# Altium PCB Archimbu.PcbDoc (part 4 of 5)
Units mil, origin at the board's own origin, x right, y up, seen from the top; angles counter-clockwise.
Board outline 4100 x 4050 mil, 4 copper layers (Top Layer, Ground Plane, Power Plane, Bottom Layer), stack 59.2 mil thick; 524 components, 271 nets, 1488 pads, 1236 vias.
Unrouted connection lines stored in the file: 118.
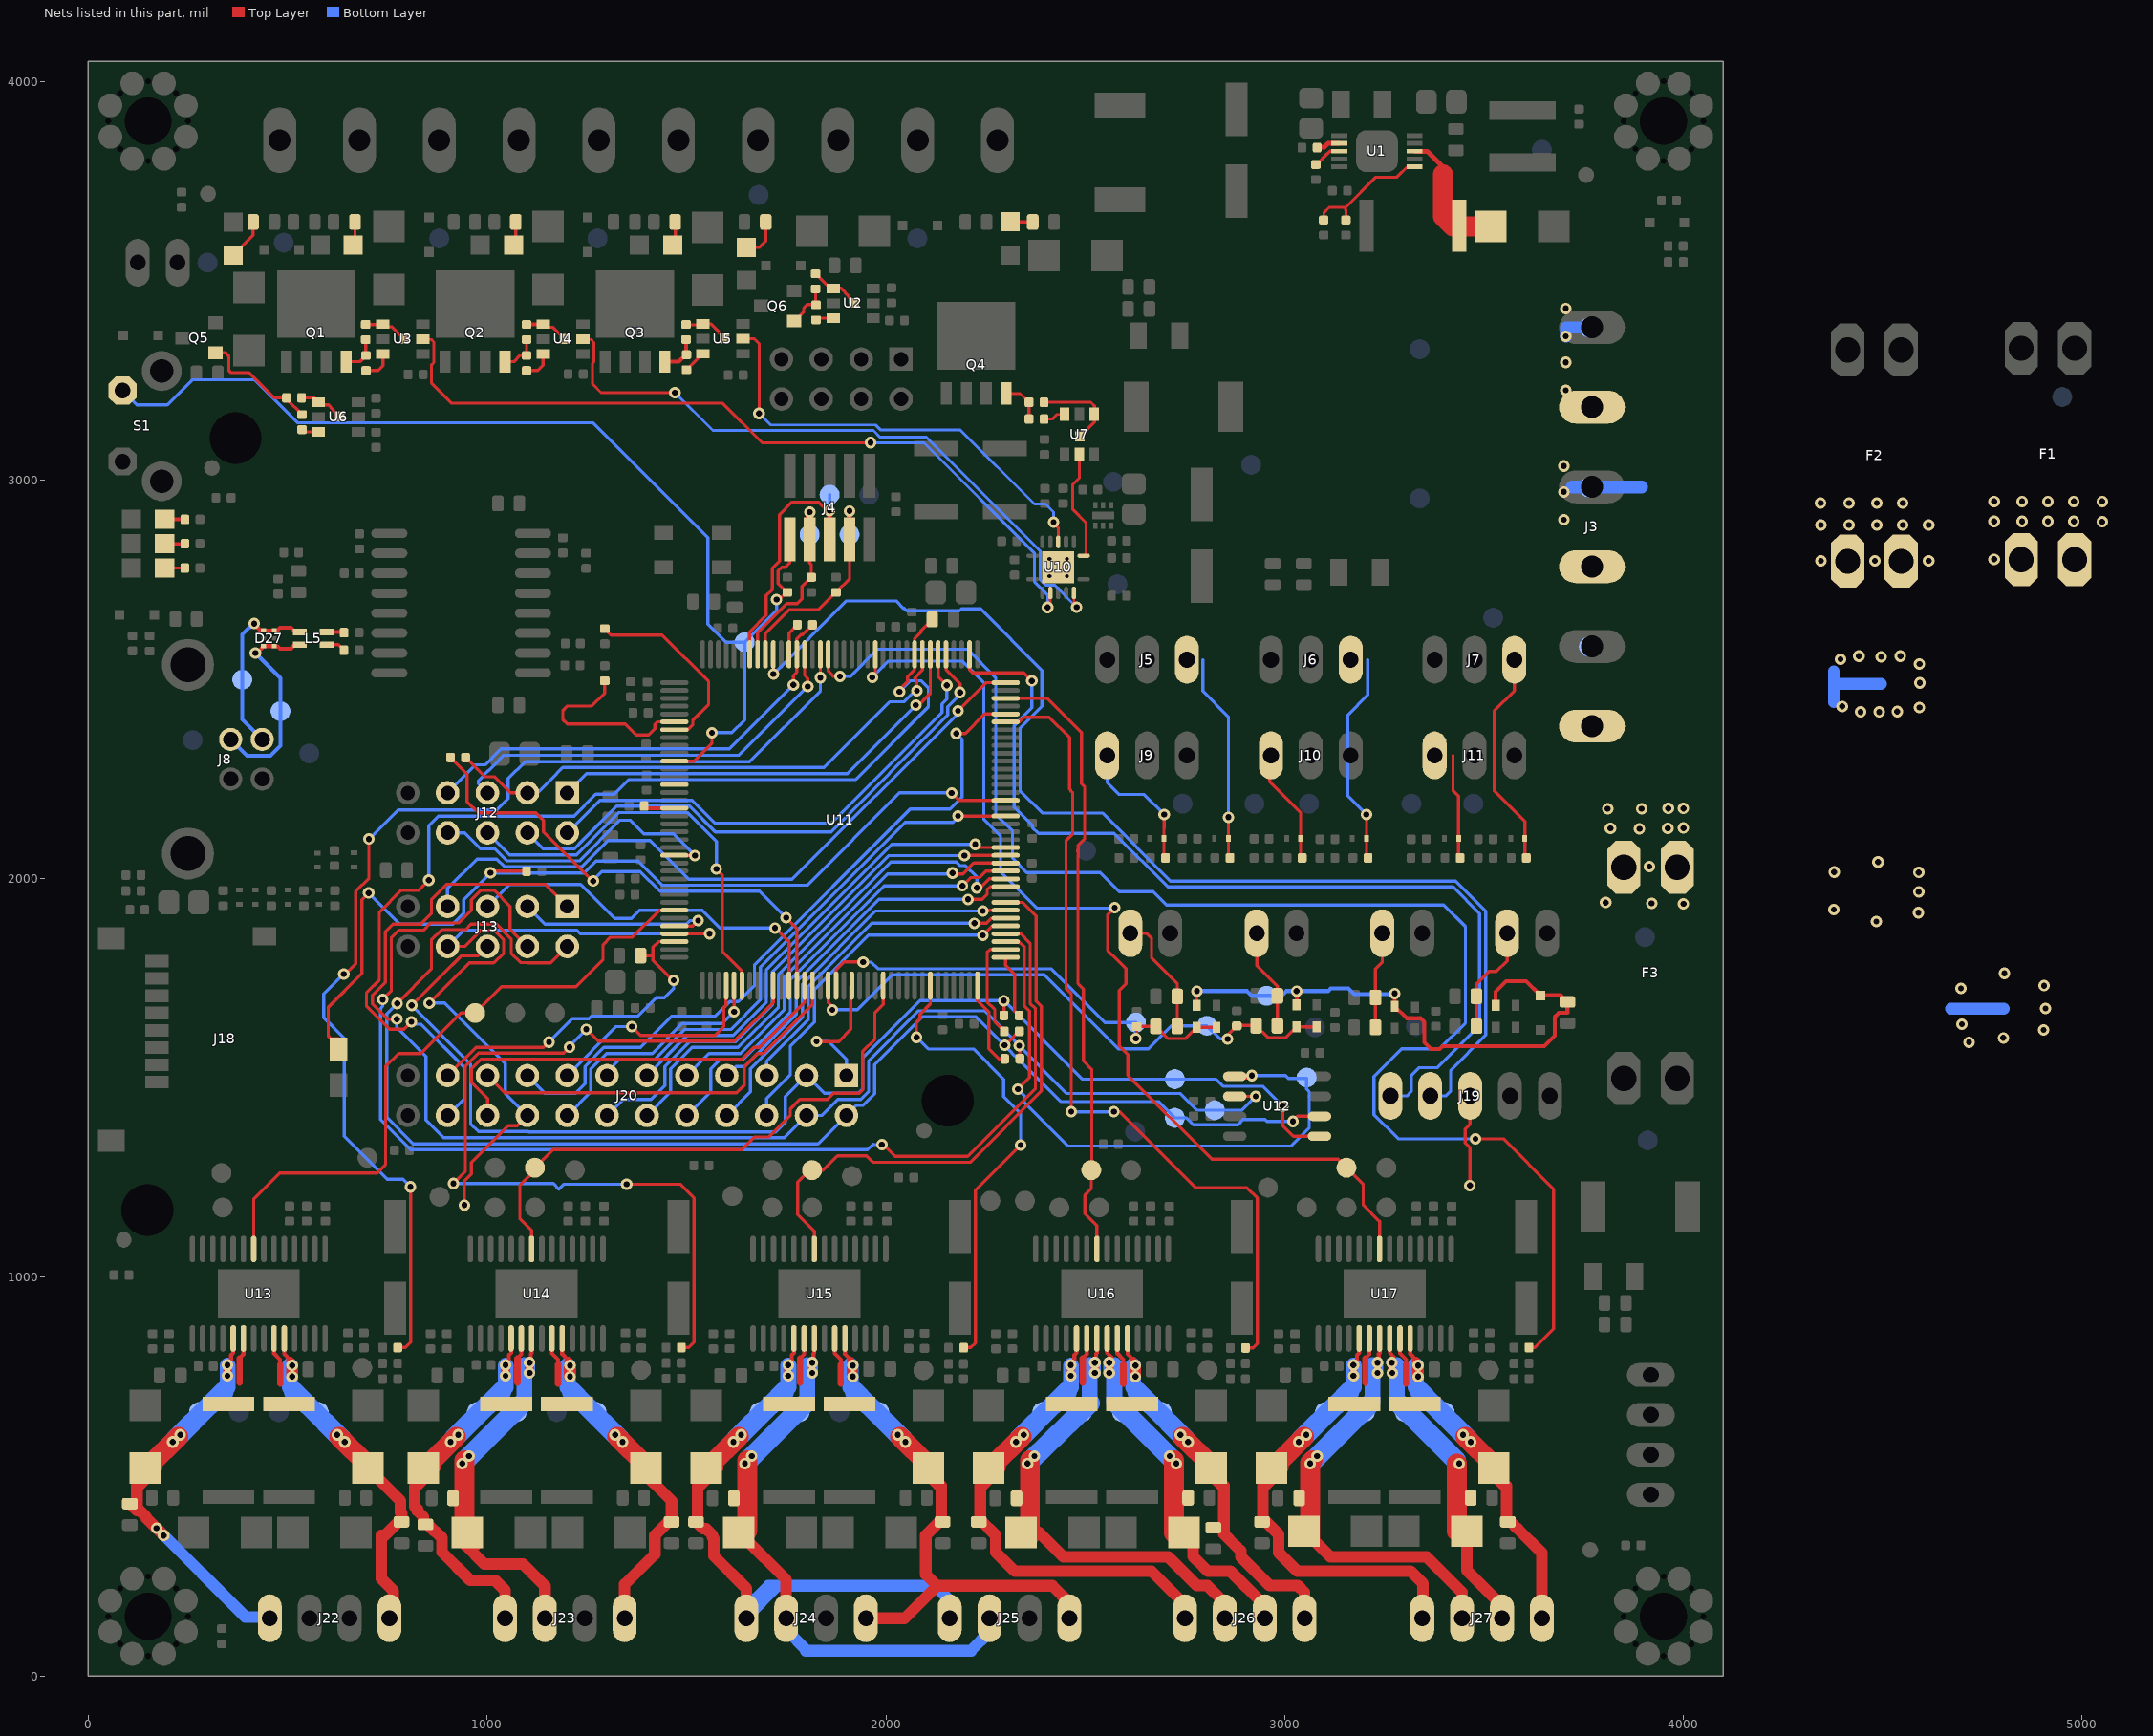
[diagram p6: the nets of this part, all layers, seen from the top]

## Via types
v1: diameter 29, hole 15, Top Layer to Bottom Layer, tented both sides, 1115 vias
v2: diameter 30, hole 15, Top Layer to Bottom Layer, tented both sides, 95 vias
v3: diameter 30, hole 15, Top Layer to Bottom Layer, 9 vias
v4: diameter 40, hole 24, Top Layer to Bottom Layer, tented both sides, 7 vias
v5: diameter 25, hole 10, Top Layer to Bottom Layer, tented both sides, 4 vias
v6: diameter 50, hole 30, Top Layer to Bottom Layer, 2 vias
v7: diameter 40, hole 20, Top Layer to Bottom Layer, tented both sides, 2 vias
v8: diameter 38, hole 22, Top Layer to Bottom Layer, tented both sides, 1 vias
v9: diameter 34, hole 20, Top Layer to Bottom Layer, tented both sides, 1 vias

## Nets (pads, with @x,y where several pads share a name; then routed paths per layer and width w, separated by ;. In a path a pad name is that pad's centre, name@x,y a point inside that pad or via, vN(x,y) a via of type N, cw(c..) or ccw(c..) an arc to the next point about the centre after c; other vN are vias at no path point) (continued)
NetC130_2: C130.2 D63.C J26.2 TP90.1 U16.8 | length 946.6
  Top Layer w10: U16.8@2554.81,846.8 2554.81,810.33 2566.14,799 v1(2560.14,786)
  Top Layer w20: v1(2560.14,760) v1(2560.14,786)
  Top Layer w29: D63.C@2747.72,359.21 2770,336.93 2770,300.18 2797,273.18 ; 2803,267.18 2797,273.18 ; J26.2@2950,145 2950,177 2864,263 2807.18,263 2797,273.18
  Top Layer w50: D63.C@2722.72,359.21 v1@2722.72,541
  Bottom Layer w29: v1(2560.14,760) v1(2560.14,786) 2570.82,780.42 v1@2572.72,779.42
  Bottom Layer w40: 2572.72,684 v1@2572.72,779.42
  Bottom Layer w50: TP90.1@2581.72,680 v1@2720.72,541
  other v1: 2728.72,533 2711.72,552
NetC131_2: C131.2 D55.C J27.2 TP86.1 U17.8 | length 820
  Top Layer w10: U17.8@3263.67,846.8 3263.67,810.33 3275,799 v1(3269,786)
  Top Layer w20: v1(3269,786) 3269,761 v1(3270,760)
  Top Layer w29: D55.C@3456.58,359 3456.58,265.34 3545,176.91 J27.2@3545,145
  Top Layer w50: D55.C@3431.58,363 v1@3431.58,533
  Bottom Layer w29: v1(3269,786) 3280.46,780.01 v1@3281.58,779.42
  Bottom Layer w40: 3281.58,684 v1@3281.58,779.42
  Bottom Layer w50: TP86.1@3290.58,680 v1@3429.58,541
  other v1: 3437.58,533
NetC132_1: C132.1 D57.C J23.3 TP99.1 U14.7 | length 939.4
  Top Layer w10: v1@1109.42,788.47 1109.42,808.25 1111.51,810.33 U14.7@1111.51,846.8
  Top Layer w24: v1(1106.42,760) v1(1106.42,786)
  Top Layer w29: D57.C@943.6,330.4 993,281 1090,281 1145,226 J23.3@1145,145 ; D57.C@973.13,330.4 D57.C@973.13,356.4
  Top Layer w50: D57.C@943.6,356.4 v1@943.6,541
  Bottom Layer w29: v1(1106.42,760) v1(1106.42,786)
  Bottom Layer w40: 1093.6,684 v1@1093.6,779.42
  Bottom Layer w50: v1@945.6,541 TP99.1@1084.6,680
  other v1: 937.6,533 954.6,552
NetC133_1: C133.1 D58.C J24.3 J25.3 TP95.1 U15.7 | length 1496.4
  Top Layer w10: v1@1818.54,788.47 1818.54,808.25 1820.62,810.33 U15.7@1820.62,846.8
  Top Layer w20: v1(1815.54,760) v1(1815.54,786)
  Top Layer w29: D58.C@1612.72,345.28 1646.72,345.28 1750,242 J24.3@1750,145 ; D58.C@1652.72,345.28 D58.C@1652.72,365
  Top Layer w50: D58.C@1652.72,365 v1@1652.72,541
  Bottom Layer w29: J24.3@1750,145 1750,116 1802.5,63.5 ; 1798.5,63.5 1802.5,63.5 ; v1(1815.54,760) v1(1815.54,786) ; 2214.5,63.5 2212.5,63.5 ; J25.3@2260,145 2260,111 2212.5,63.5 ; 1802.5,63.5 2212.5,63.5
  Bottom Layer w40: 1802.72,684 v1@1802.72,779.42
  Bottom Layer w50: v1@1654.72,541 TP95.1@1793.72,680
  other v1: 1646.72,533 1663.72,552
NetC134_1: C134.1 D59.C J26.3 TP91.1 U16.7 | length 1223
  Top Layer w10: v1@2527.14,788.47 2527.14,808.25 2529.22,810.33 U16.7@2529.22,846.8
  Top Layer w20: v1(2524.14,760) v1(2524.14,786)
  Top Layer w29: D59.C@2338.72,360 2384,360 2445,299 2708,299 2780,227 2806,227 2850,183 J26.3@2850,145
  Top Layer w50: D59.C@2361.32,353 v1@2361.32,541
  Bottom Layer w29: v1(2524.14,760) v1(2524.14,786)
  Bottom Layer w40: 2511.32,684 v1@2511.32,779.42
  Bottom Layer w50: v1@2363.32,541 2511.32,684
  other v1: 2355.32,533 2372.32,552
NetC135_1: C135.1 D54.C J27.3 TP87.1 U17.7 | length 1100.8
  Top Layer w10: v1@3236,788.47 3236,808.25 3238.08,810.33 U17.7@3238.08,846.8
  Top Layer w20: v1(3233,760) v1(3233,786)
  Top Layer w29: D54.C@3064,349.82 3114.82,299 3356,299 3445,210 J27.3@3445,145
  Top Layer w50: D54.C@3064,349.82 3064,534.82 v1@3070.18,541
  Bottom Layer w29: v1(3233,760) v1(3233,786)
  Bottom Layer w40: 3220.18,684 v1@3220.18,779.42
  Bottom Layer w50: v1@3072.18,541 TP87.1@3211.18,680
  other v1: 3064.18,533 3081.18,552
NetC136_1: C136.1 D44.C J22.4 TP104.1 U13.5 | length 1109.3
  Top Layer w10: 358.07,793 358.07,804.93 363.47,810.33 U13.5@363.47,846.8
  Top Layer w20: v1(349.14,753) v1(349.14,780)
  Top Layer w29: C136.1@104.33,432.28 121.81,414.81 129.51,414.81 145.52,398.8 145.52,396.09 v1@170.55,371.06 ; 121.91,415.35 121.91,472.18 ; D44.C@153.74,522 171.73,522 126.74,477.01 ; v1(171.26,371.06) 189.96,352.36 v1(188.98,352.36) ; 121.91,472.18 121.91,477.01 126.74,477.01 ; 121.91,472.18 126.74,477.01
  Top Layer w50: D44.C@153.74,521 153.74,522 153.74,528.61 v1@225.24,600.11
  Bottom Layer w29: v1(171.26,371.06) 394.32,148 ; 392.91,148 394.32,148 ; 420.28,148 394.32,148 ; J22.4@455,145 452,148 394.32,148
  Bottom Layer w40: 339.12,713.62 349.74,724.24 v1@349.74,778
  Bottom Layer w50: v1@219.24,594.5 305.24,680.5 ; 306.01,680.5 339.12,713.62
  other v1: 211.74,587 230.74,605
NetC137_1: C137.1 D45.C J22.1 TP101.1 U13.10 | length 930.5
  Top Layer w10: U13.10@491.42,846.8 491.42,807.66 506.2,792.88 v1@506.2,790.72
  Top Layer w20: v1@506.2,790.72 509.38,778.54 v1@510.57,774
  Top Layer w29: v1@510.57,751 v1@510.57,774 ; D45.C@683.16,522 701.14,522 D45.C@701.64,521.5 ; D45.C@701.14,521 782.76,439.38 782.76,410.42 785.51,407.67 C137.1@785.51,386.77 C137.1@777.81,386.77 ; 734.48,353.29 734.48,244.52 765,214 J22.1@765,145 ; 744.33,353.29 C137.1@777.81,386.77 ; C137.1@782.35,391.84 777.28,386.77 C137.1@777.81,386.77 ; C137.1@782.61,391.58 C137.1@777.81,386.77
  Top Layer w50: v1@629.64,600.11 D45.C@701.14,528.61 ; D45.C@711.14,521 D45.C@711.14,528.61
  Bottom Layer w29: v1@506.14,743 v1@506.14,746
  Bottom Layer w40: v1@505.14,778 505.14,724.24 515.76,713.62
  Bottom Layer w50: 515.76,713.62 548.88,680.5 549.64,680.5 v1@635.64,594.5
  other v1: 643.14,587 624.14,605 511.14,751 511.14,779
NetC138_1: C138.1 D47.C J23.1 TP97.1 U14.10 | length 932.8
  Top Layer w10: U14.10@1188.28,846.8 1188.28,807.66 1203.06,792.88 v1@1203.06,790.72
  Top Layer w20: v1@1203.06,790.72 1206.24,778.54 v1@1207.42,774
  Top Layer w29: v1@1207.42,751 v1@1207.42,774 ; J23.1@1345,145 1345,230 1420.53,305.53 1420.53,353 C138.1@1459.37,391.84 ; D47.C@1398,522 1380.02,522 1462.53,439.49 C138.1@1462.53,386.77
  Top Layer w50: v1@1326.5,600.11 1398,528.61 D47.C@1398,522
  Bottom Layer w29: v1@1203,743 v1@1203,746
  Bottom Layer w40: v1@1202,778 1202,724.24 1212.62,713.62
  Bottom Layer w50: 1212.62,713.62 1245.74,680.5 1246.5,680.5 v1@1332.5,594.5
  other v1: 1340,587 1321,605 1208,751 1208,779
NetC139_1: C139.1 D48.C J24.4 J25.4 TP96.1 U15.5 | length 1636.2
  Top Layer w10: 1764.04,793 1764.04,804.93 1769.44,810.33 U15.5@1769.44,846.8
  Top Layer w20: v1(1755.12,753) v1(1755.12,780)
  Top Layer w29: C139.1@1524.12,386.77 1541.6,369.3 1549.3,369.3 1565.3,353.29 1565.3,348.7 1569,345 1569,301 1650,220 J24.4@1650,145 ; C139.1@1527.88,391.84 1527.88,472.18 ; D48.C@1559.72,522 1577.71,522 1532.71,477.01 ; 1527.88,472.18 1527.88,477.01 1532.71,477.01 ; 1527.88,472.18 1532.71,477.01
  Top Layer w50: D48.C@1559.72,521 1559.72,522 1559.72,528.61 v1@1631.22,600.11
  Bottom Layer w29: J24.4@1650,145 J24.4@1650,147.83 ; J25.4@2160,145 2160,190 2123.5,226.5 1728.67,226.5 ; J24.4@1650,147.83 1728.67,226.5 ; J24.4@1650,147.83 1650,171 1705.5,226.5 1728.67,226.5
  Bottom Layer w40: 1745.1,713.62 1755.72,724.24 v1@1755.72,778
  Bottom Layer w50: v1@1625.22,594.5 1711.22,680.5 ; 1711.98,680.5 1745.1,713.62
  other v1: 1617.72,587 1636.72,605
NetC140_1: C140.1 D49.C J24.1 J25.1 TP93.1 U15.10 | length 1424.2
  Top Layer w10: U15.10@1897.4,846.8 1897.4,807.66 1912.18,792.88 v1@1912.18,790.72
  Top Layer w20: v1@1912.18,790.72 1915.36,778.54 v1@1916.54,774
  Top Layer w29: v1@1916.54,751 v1@1916.54,774 ; J24.1@1950,145 2047,145 2128.5,226.5 ; D49.C@2107.12,522 2089.13,522 2134.13,477.01 ; J25.1@2460,145 2460,184 2417.5,226.5 2128.5,226.5 ; 2128.5,226.5 2100.12,254.88 2100.12,353 2138.96,391.84 2138.96,472.18 ; 2134.13,477.01 2138.96,477.01 2138.96,472.18 ; 2134.13,477.01 2138.96,472.18
  Top Layer w50: v1@2035.62,600.11 2107.12,528.61 2107.12,522 D49.C@2107.12,521
  Bottom Layer w29: v1@1912.12,743 v1@1912.12,746
  Bottom Layer w40: v1@1911.12,778 1911.12,724.24 1921.74,713.62
  Bottom Layer w50: 1921.74,713.62 1954.86,680.5 1955.62,680.5 v1@2041.62,594.5
  other v1: 2049.12,587 2030.12,605 1917.12,751 1917.12,779
NetC141_1: C141.1 D50.C J26.4 TP92.1 U16.5 | length 1269.6
  Top Layer w10: 2472.64,793 2472.64,804.93 2478.04,810.33 U16.5@2478.04,846.8
  Top Layer w20: v1(2463.72,753) v1(2463.72,780)
  Top Layer w29: D50.C@2268.32,522 2286.3,522 2241.31,477.01 ; J26.4@2754,145 2754,175 2666.5,262.5 2323.42,262.5 2275.32,310.59 2275.32,353 2236.48,391.84 2236.48,472.18 ; 2236.48,472.18 2236.48,477.01 2241.31,477.01 ; 2236.48,472.18 2241.31,477.01
  Top Layer w50: D50.C@2268.32,521 2268.32,522 2268.32,528.61 v1@2339.82,600.11
  Bottom Layer w40: 2453.7,713.62 2464.32,724.24 v1@2464.32,778
  Bottom Layer w50: v1@2333.82,594.5 2419.82,680.5 ; 2420.58,680.5 2453.7,713.62
  other v1: 2326.32,587 2345.32,605
NetC142_1: C142.1 D52.C J27.4 TP88.1 U17.5 | length 1188
  Top Layer w10: 3181.5,793 3181.5,804.93 3186.9,810.33 U17.5@3186.9,846.8
  Top Layer w20: v1(3172.58,753) v1(3172.58,780)
  Top Layer w29: D52.C@2977.18,522 2995.16,522 2950.17,477.01 ; J27.4@3345,145 3347,147 3347,232 3316,263 3031.77,263 2985,309.77 2985,355 2945.34,394.66 2945.34,472.18 ; 2945.34,472.18 2945.34,477.01 2950.17,477.01 ; 2945.34,472.18 2950.17,477.01
  Top Layer w50: D52.C@2977.18,521 2977.18,522 2977.18,528.61 v1@3048.68,600.11
  Bottom Layer w40: 3162.56,713.62 3173.18,724.24 v1@3173.18,778
  Bottom Layer w50: v1@3042.68,594.5 3128.68,680.5 ; 3129.44,680.5 3162.56,713.62
  other v1: 3035.18,587 3054.18,605
NetC143_1: C143.1 D53.C J27.1 TP85.1 U17.10 | length 912.3
  Top Layer w10: U17.10@3314.85,846.8 3314.85,807.66 3329.64,792.88 v1@3329.64,790.72
  Top Layer w20: v1@3329.64,790.72 3332.82,778.54 v1@3334,774
  Top Layer w29: v1@3334,751 v1@3334,774 ; D53.C@3524.58,522 3506.59,522 3551.58,477.01 ; C143.1@3556.41,391.84 3556.41,472.18 ; C143.1@3559.58,386.77 3566.23,386.77 3583.7,369.3 3584.75,369.3 3645,309.05 J27.1@3645,145 ; 3551.58,477.01 3556.41,477.01 3556.41,472.18 ; 3551.58,477.01 3556.41,472.18
  Top Layer w50: v1@3453.08,600.11 3524.58,528.61 3524.58,522 D53.C@3524.58,521
  Bottom Layer w29: v1@3329.58,743 v1@3329.58,746
  Bottom Layer w40: v1@3328.58,778 3328.58,724.24 3339.2,713.62
  Bottom Layer w50: 3339.2,713.62 3372.32,680.5 3373.08,680.5 v1@3459.08,594.5
  other v1: 3466.58,587 3447.58,605 3334.58,751 3334.58,779
NetC144_1: C144.1 D46.C J23.4 TP100.1 U14.5 | length 978.4
  Top Layer w10: 1054.92,793 1054.92,804.93 1060.33,810.33 U14.5@1060.33,846.8
  Top Layer w24: v1(1046,753) v1(1046,780)
  Top Layer w29: C144.1@840.55,387.01 840.55,398.89 825.15,414.29 825.15,418.95 818.76,425.33 818.76,472.18 ; C144.1@848.29,383.01 868.66,362.64 870.65,362.64 886.66,346.63 886.66,344.64 887.13,344.17 887.13,310.59 957.73,240 1020,240 1045,215 J23.4@1045,145 ; D46.C@850.6,522 868.59,522 823.6,477.01 ; 818.76,472.18 823.6,477.01 ; 818.76,472.18 818.76,477.01 823.6,477.01
  Top Layer w50: D46.C@850.6,521 850.6,522 850.6,528.61 v1@922.1,600.11
  Bottom Layer w40: 1035.98,713.62 1046.6,724.24 v1@1046.6,778
  Bottom Layer w50: v1@916.1,594.5 1002.1,680.5 ; 1002.86,680.5 1035.98,713.62
  other v1: 908.6,587 927.6,605
NetC145_1: C145.1 D51.C J26.1 TP89.1 U16.10 | length 1003
  Top Layer w10: U16.10@2606,846.8 2606,807.66 2620.78,792.88 v1@2620.78,790.72
  Top Layer w20: v1@2620.78,790.72 2623.96,778.54 v1@2625.14,774
  Top Layer w29: v1@2625.14,751 v1@2625.14,774 ; D51.C@2815.72,522 2797.73,522 2842.73,477.01 ; J26.1@3050,145 3050,210 3033,227 2962,227 2890,299 2890,313.91 2879,324.91 2879,325 2847.56,356.36 2847.56,472.18 ; 2842.73,477.01 2847.56,477.01 2847.56,472.18 ; 2842.73,477.01 2847.56,472.18
  Top Layer w50: v1@2744.22,600.11 2815.72,528.61 2815.72,522 D51.C@2815.72,521
  Bottom Layer w29: v1@2620.72,743 v1@2620.72,746
  Bottom Layer w40: v1@2619.72,778 2619.72,724.24 2630.34,713.62
  Bottom Layer w50: 2630.34,713.62 2663.46,680.5 2664.22,680.5 v1@2750.22,594.5
  other v1: 2757.72,587 2738.72,605 2625.72,751 2625.72,779
NetD2_A: D2.A R5.2 U1.8 | length 326.9
  Top Layer w12: U1.8@3325.8,3824.43 3357.67,3824.43 3396.88,3785.22 3396.88,3766
  Top Layer w50: 3396.88,3766 3396.88,3661.26 R5.2@3422.14,3636 ; R5.2@3437.14,3636 D2.A@3517,3636
NetD9_A: D9.A R9.1 | length 57.4
  Top Layer w8: D9.A@2311,3647.34 2367.88,3647.34 R9.1@2368.23,3646.99
NetD13_A: D13.A R12.1 | length 103.4
  Top Layer w8: D13.A@1650,3583.34 1683.34,3583.34 1698.77,3598.77 R12.1@1698.77,3647
NetD16_A: D16.A R6.1 | length 59.8
  Top Layer w8: D16.A@664.34,3589 668.77,3593.43 R6.1@668.77,3647
NetD17_A: D17.A R7.1 | length 60.2
  Top Layer w8: D17.A@1066.34,3589 1071.77,3594.43 R7.1@1071.77,3647
NetD18_A: D18.A R8.1 | length 60.7
  Top Layer w8: D18.A@1465.34,3589 1471.77,3595.43 R8.1@1471.77,3646.99
NetD20_A: D20.A R14.1 | length 104.1
  Top Layer w8: D20.A@363,3563.66 413.23,3613.89 R14.1@413.23,3647
NetD23_A: D23.A R33.1 | length 56.9
  Top Layer w10: D23.A@191.34,2901 R33.1@248.23,2901
NetD24_A: D24.A R34.2 | length 56.9
  Top Layer w8: D24.A@191.34,2840 R34.2@248.22,2840
NetD25_A: D25.A R36.2 | length 56.9
  Top Layer w8: D25.A@191.34,2779 R36.2@248.22,2779
NetD27_1: D27.1 D27.6 J8.2 L5.3 TP58.1 | length 455.5
  Top Layer w10: v1(416,2639.81) 416,2636.87 423.56,2629.31 424.98,2629.31 431.79,2622.5 D27.1@439.71,2622.5 D27.6@466.27,2622.5 474.17,2622.5 ; 474.58,2622.86 481.02,2629.31 508.48,2629.31 519.24,2618.56 L5.3@530.54,2618.56
  Bottom Layer w10: v1(416,2639.81) 406.5,2630.31 404.02,2630.31 386,2612.29 TP58.1@386,2499 386,2399.21 J8.2@436,2349.21 J8.2@436.21,2349.21
NetD27_3: D27.3 D27.4 J8.3 L5.2 TP59.1 | length 537.5
  Top Layer w10: v1(419,2565.81) 423,2569.81 426.4,2569.81 D27.3@439.71,2583.13 D27.4@466.27,2583.13 466.82,2582.57 474.76,2582.57 ; 474.58,2582.39 474.76,2582.57 ; 508.5,2576.31 480.5,2576.31 480.5,2576.83 474.76,2582.57 ; 508.5,2577.31 518.25,2587.06 L5.2@530.54,2587.06
  Bottom Layer w10: J8.3@357,2349.21 398.21,2308 457,2308 482,2333 TP59.1@482,2420 482,2502.81 v1(419,2565.81)
NetD28_A: D28.A J9.1 R63.2 | length 355.2
  Top Layer w8: v1(2698,2161) 2698,2126.86 2697.14,2126 D28.A@2697.14,2101 2697.14,2055.77 R63.2@2701,2051.91
  Bottom Layer w8: J9.1@2555,2309 2555,2241 2585,2211 2648,2211 v1(2698,2161)
NetD29_A: D29.A J5.1 R54.2 | length 525.2
  Top Layer w8: v1(2859,2154) 2859.14,2153.86 D29.A@2859.14,2101 2859.14,2055.86 R54.2@2863,2052
  Bottom Layer w8: 2795,2549 2795,2470 2859,2406 v1(2859,2154)
NetD30_A: D30.A J10.1 R56.2 | length 290.8
  Top Layer w8: J10.1@2962.5,2309 2962.5,2242.64 3040.14,2165 D30.A@3040.14,2101 3040.14,2055.86 R56.2@3044,2052
NetD31_A: D31.A J6.1 R58.2 | length 540.3
  Top Layer w8: v1(3205,2161) 3206,2161 3205.14,2160.14 D31.A@3205.14,2101 3205.14,2055.86 R58.2@3209,2052
  Bottom Layer w8: v1(3205,2161) 3158,2208 3158,2410 3208.5,2460.5 3208.5,2549
NetD32_A: D32.A J11.1 R60.2 | length 264.5
  Top Layer w8: 3422,2309 3422,2221 3436.14,2206.86 D32.A@3436.14,2101 3436.14,2055.86 R60.2@3440,2052
NetD33_A: D33.A J7.1 R62.2 | length 550.8
  Top Layer w8: J7.1@3576,2549 3576,2471 3526,2421 3526,2220.14 3602.14,2144 D33.A@3602.14,2101 3602.14,2055.86 R62.2@3606,2052
NetD34_C: D34.C D35.C D36.C D37.C D39.C R76.1 TP69.1 | length 1466.4
  Top Layer w10: D37.C@2779,1682 2779,1717 v1(2780,1718) ; D35.C@3030,1683.56 v1(3030,1718) ; v1(3276,1712) D39.C@3276,1679.56 3305.56,1650 3340.41,1650 3350,1640.41 3350,1589.52 3367.02,1572.5 3388.98,1572.5 3396.48,1580 3651,1580 3677.32,1606.32 3677.32,1653.35 3687.76,1663.79 3709,1663.79 R76.1@3709,1690.77 3692.18,1707.59 3691.9,1707.31 D34.C@3641,1707.31 3605.81,1742.5 3555.5,1742.5 3529,1716 D36.C@3529,1682.56
  Bottom Layer w10: v1(2780,1718) 2906,1718 2918,1706 TP69.1@2955,1706 2992,1706 3004,1718 v1(3030,1718) 3109,1718 3115.5,1724.5 3159.5,1724.5 3174,1710 3269,1710 v1@3276,1717
NetF1_1: F1.1 J3.1 TP44.1 | length 212.5
  Bottom Layer w30: v1(3705,3360) 3705,3382.48 TP44.1@3762.8,3382.48 ; 4670.8,1674 4803,1674
  other v1: 4716.07,1589.75 4802,1600.52 4903,1620.52 4698.35,1635.02 4908,1674.52 4696,1724.52 4904,1731.52 4805,1762.52 4779,2801 5050,2895 4779,2896 4849,2896 4914,2896 4979,2896 4779,2946 4849,2946 4914,2946 4979,2946 5050,2946 3705,3225 3705,3295 3705,3430
NetF2_1: F2.1 J3.3 TP48.1 | length 174
  Bottom Layer w32: 3721,2982.48 3895,2982.48
  other v1: 4484,1892.52 4589,1914.52 4377,1922.52 4590,1966.52 4590,2015.52 4378,2016.52 4488,2041.52 4345,2797 4480,2797 4615,2797 4345,2887 4415,2887 4485,2887 4550,2887 4615,2887 3700,2900 4344,2942 4415,2942 4485,2942 4550,2942 3700,2970 3700,3035
NetF3_1: F3.1 J3.5 TP57.1 | length 196.2
  Bottom Layer w29: 4377,2442 4377,2488 ; 4377,2520 4377,2488 ; 4495,2488.48 4377.48,2488.48 4377,2488
  other v1: 4000,1937.01 3920.28,1937.99 3805,1940 3914.37,2030.51 3889.76,2125 3816.93,2125.98 3960.63,2125.98 4000,2127 3810,2175 3895,2175 3962,2176 4000,2176 4444,2418 4491,2418 4536,2419 4592,2429 4398,2432 4593,2491 4592,2538 4394,2550 4496,2556 4440,2558 4544,2558
NetJ14_1: J14.1 R74.1 R80.1 | length 306.4
  Top Layer w8: J14.1@2613,1863 2654,1863 2666,1851 2666,1802 2730.77,1737.23 R74.1@2730.77,1704.44 R80.1@2730.77,1629.44
NetJ15_1: J15.1 R72.1 R78.1 | length 253.4
  Top Layer w8: J15.1@2930,1863 2930,1782 2981.77,1730.23 R72.1@2981.77,1706 R78.1@2981.77,1631
NetJ16_1: J16.1 R75.1 R81.1 | length 243.1
  Top Layer w8: R81.1@3227.77,1627 R75.1@3227.77,1702 3227.77,1773.77 3245,1791 J16.1@3245,1863
NetJ17_1: J17.1 R73.1 R79.1 | length 275.5
  Top Layer w8: R79.1@3480.77,1630 R73.1@3480.77,1705 3480.77,1734.77 3513,1767 3531,1767 3558,1794 J17.1@3558,1863
NetL5_1: L5.1 R46.2 | length 49.4
  Top Layer w8: L5.1@597.46,2587.06 626.94,2587.06 R46.2@641,2573
NetL5_4: L5.4 R43.2 | length 45.3
  Top Layer w10: L5.4@597.46,2618.56 636.75,2618.56 R43.2@641,2622.81
NetQ1_4: Q1.4 R19.2 R22.2 | length 96.6
  Top Layer w8: Q1.4@646.5,3296.63 680.78,3296.63 R22.2@696.46,3312.31 695.47,3313.29 R19.2@695.47,3352.06
NetQ2_4: Q2.4 R20.2 R23.2 | length 100.3
  Top Layer w8: Q2.4@1045,3296.63 1066.91,3296.63 1082.58,3312.31 R23.2@1099.02,3312.31 R20.2@1099.02,3352.06
NetQ3_4: Q3.4 R21.2 R24.2 | length 97.6
  Top Layer w10: Q3.4@1446,3296.63 1480.63,3296.63 1499,3315 R21.2@1499,3352
NetQ4_4: Q4.4 R25.2 R27.2 | length 108.6
  Top Layer w7: Q4.4@2301.5,3216.63 2336.88,3216.63 R25.2@2358.95,3194.56
  Top Layer w8: R27.2@2358.95,3152.56 R25.2@2358.95,3194.56
NetQ5_1: Q5.1 R15.2 R16.2 | length 307.7
  Top Layer w8: Q5.1@319.37,3308.6 329.37,3318.6 344.4,3318.6 352.5,3310.5 352.5,3274.5 358,3269 403,3269 466,3206 R16.2@497,3206 497,3203 R15.2@536,3164
NetQ6_1: Q6.1 R17.2 R18.2 | length 114.9
  Top Layer w8: Q6.1@1770.37,3398.6 1794,3422.23 1794,3431 1803,3440 1824,3440 R18.2@1824,3479
NetR1_1: R1.1 U1.2 | length 56.9
  Top Layer w12: R1.1@3083.68,3835.05 3100.05,3835.05 3109.11,3844.11 U1.2@3136.83,3844.11
NetR2_1: R2.1 U1.3 | length 76.4
  Top Layer w8: R2.1@3073.84,3792.14 3081.14,3792.14 3107.05,3818.05 ; 3107.1,3818.05 3113.47,3824.43 U1.3@3136.83,3824.43
NetR10_2: R10.2 R11.1 U1.6 | length 318.5
  Top Layer w7: R11.1@3098,3651.9 3098,3669.85 3112.15,3684 3153,3684 ; R10.2@3153.31,3659.77 3153.31,3677.34 3153,3677.02 3153,3684 ; U1.6@3325.8,3785.06 3307.06,3785.06 3281.56,3759.56 3228.56,3759.56 3153,3684